# KiCad board usb-c-power-adapter.kicad_pcb (continued)
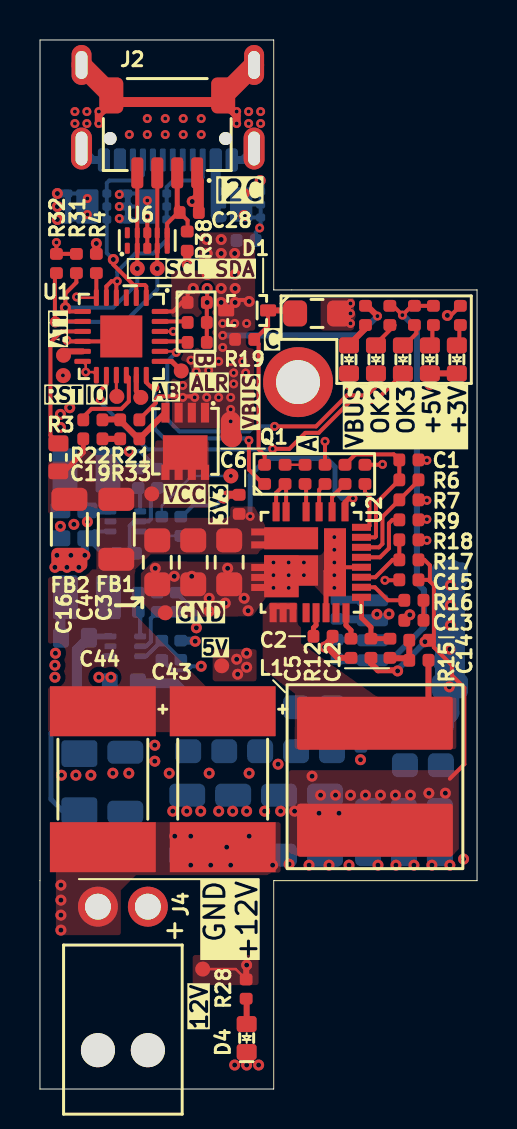
[diagram p0: board, top side]
## Library data of the parts (continued)
U2 = -: Datasheet: https://www.vishay.com/docs/77113/sic47x.pdf; Description: DC/DC Synchronous Regulator, Adjustable, 4.5V to 55VIn, 0.8V to 50.6V/6AOut, 2MHz, PowerPAK MLP55-27; Manufacturer: Vishay; Author: Antmicro; License: Apache-2.0
U3 U4 = -: Datasheet: https://www.diodes.com/assets/Datasheets/AP62300_AP62301_AP62300T.pdf; Description: DC-DC Switching Synchronous Buck Regulator, Adjustable, 4.2V-18Vin, 0.8V-7V/3A out, SOT-563-6; Manufacturer: Diodes Incorporated; Author: Antmicro; License: Apache-2.0
U5 U7 U8 = -: Datasheet: https://www.ti.com/lit/ds/symlink/tvs2200.pdf?ts=1712230685180&ref_url=https%253A%252F%252Fwww.ti.com%252Fproduct%252FTVS2200; Description: ESD Protection Device, 1 kV, WSON-6, 22 V, 105 pF; Manufacturer: Texas Instruments; License: Apache-2.0; Author: Antmicro
U6 = -: Datasheet: http://www.ti.com/lit/ds/symlink/tpd4e02b04.pdf; Description: TVS diode array, 12 kV, USON-10, 3.6 V, 0.33 pF; MPN: TPD4E02B04DQAR; Manufacturer: Texas Instruments; Author: Antmicro; License: Apache-2.0; ki_fp_filters: USON*2.5x1.0mm*P0.5mm*

## Footprints (pads in the part's own frame, mm; a bottom-side part is the same pattern mirrored in y, then rotated)
C_0402_1005Metric
  rrect 0.59x0.64 smd: 1(-0.48,0) 2(0.48,0)
C_0603_1608Metric
  rrect 0.8x1 smd: 1(-0.7,0) 2(0.7,0)
C_0805_2012Metric
  rrect 1.2x1.3 smd: 1(-1.1,0) 2(1.1,0)
C_1206_3216Metric
  rrect 1.15x1.8 smd: 1(-1.5,-0.001) 2(1.5,-0.001)
C_Pol_Vishay-T59-EE
  trapezoid 2.5x5.3 smd: 1(-3.4,0) 2(3.4,0)
Conn_JST_SH_1x4_SM04B-SRSS-TB-LF-SN
  rrect 0.6x1.55 smd: 1(-1.5,2.12) 2(-0.5,2.12) 3(0.5,2.12) 4(1.5,2.12)
  rrect 1.2x1.8 smd: MP(-2.8,-1.755) MP(2.8,-1.755)
Conn_Molex_Nano-Fit_1x2_1053131102
  round 1.71 hole 1.7 unplated: (-2.5,-7.179) (0,-7.179)
  round 2 hole 1.3: 1(0,0) 2(-2.5,0)
D_0402_1005Metric
  rrect 0.59x0.64 smd: 1(-0.48,0) 2(0.48,0)
D_SOD-323F
  rrect 0.8x0.6 smd: 1(-1.051,-0.001) 2(1.05,-0.001)
F_1206_3216Metric
  rrect 1.15x1.8 smd: 1(-1.5,-0.001) 2(1.5,-0.001)
FB_1206_3216Metric
  rrect 1.15x1.8 smd: 1(-1.5,-0.001) 2(1.5,-0.001)
L_1008_2520Metric
  rrect 1.25x2.2 smd: 1(-1.075,0) 2(1.075,0)
L_Abracon_ASPIAIG-Q8080
  rrect 2.65x7.8 smd: 1(-2.675,0) 2(2.675,0)
LED_0603_1608Metric_G
  rrect 0.8x1 smd: 1(-0.7,0) 2(0.7,0)
MP_Pad3.5mm_Drill2.2mm
  round 3.5 hole 2.2: 1(0,0)
QFN-24-1EP_4x4mm_P0.5_EP2.1x2.1mm
  rrect 0.8x0.8 smd: (-0.5,0.5) (-0.5,-0.5) (0.5,0.5) (0.5,-0.5)
  rrect 0.825x0.25 smd: 1(-1.938,1.25) 2(-1.938,0.75) 3(-1.938,0.25) 4(-1.938,-0.248) 5(-1.938,-0.748) 6(-1.938,-1.249) 13(1.937,-1.249) 14(1.937,-0.748) 15(1.937,-0.248) 16(1.937,0.25) 17(1.937,0.75) 18(1.937,1.25)
  rrect 0.25x0.825 smd: 7(-1.25,-1.937) 8(-0.75,-1.937) 9(-0.25,-1.937) 10(0.248,-1.937) 11(0.748,-1.937) 12(1.249,-1.937) 19(1.249,1.938) 20(0.748,1.938) 21(0.248,1.938) 22(-0.25,1.938) 23(-0.75,1.938) 24(-1.25,1.938)
  rect 2.1x2.1 smd: 25(0,0)
R_0402_1005Metric
  rrect 0.59x0.64 smd: 1(-0.48,0) 2(0.48,0)
R_0603_1608Metric
  rrect 0.8x1 smd: 1(-0.7,0) 2(0.7,0)
SIC47XED-T1-GE3
  rect 0.95x0.35 smd: 1(-2.525,1.7) 2(-2.525,1.051) 3(-2.525,0.403) 4(-2.525,-0.247) 5(-2.525,-1.249) 6(-2.525,-1.749) 12(2.523,-1.898) 13(2.523,-1.398) 14(2.523,-0.9) 15(2.523,-0.247) 16(2.523,0.25) 17(2.523,0.75) 18(2.523,1.25) 19(2.523,1.75)
  rect 0.35x0.95 smd: 7(-1.52,-2.523) 8(-0.87,-2.523) 9(0.26,-2.523) 10(0.757,-2.523) 11(1.259,-2.523) 20(1.749,2.525) 21(1.249,2.525) 22(0.747,2.525) 23(0.247,2.525) 24(-0.25,2.525) 25(-0.75,2.525) 26(-1.25,2.525) 27(-1.75,2.525)
  rect 1.1x2.7 smd: 7(-1.2,-0.997)
  rect 1.52x2.7 smd: 9(0.409,-0.997)
  rect 2.1x1.73 smd: 9(0.699,-1.485)
  rect 0.3x1.35 smd: 14(2.2,-1.398)
  rect 3.4x1.1 smd: 28(0,1.2)
SOD-123FL
  rrect 1.34x1.8 smd: 1(-1.43,0) 2(1.429,0)
SOT-563
  rrect 0.6x0.3 smd: 1(-0.749,0.499) 2(-0.749,-0.001) 3(-0.749,-0.497) 4(0.747,-0.497) 5(0.747,-0.001) 6(0.747,0.499)
TP_SMD_0.75mm
  round 0.75 smd: 1(0,0)
USB-C_Receptacle_GCT_USB4105-GF-A
  round 0.65 hole 0.65 unplated: (-2.891,2.426) (2.89,2.426)
  rrect 0.6x1.15 smd: A1(-3.202,3.5) A4(-2.4,3.5) A9(2.398,3.5) A12(3.2,3.5) B1(3.2,3.5) B4(2.398,3.5) B9(-2.4,3.5) B12(-3.202,3.5)
  rrect 0.3x1.15 smd: A5(-1.25,3.5) A6(-0.25,3.5) A7(0.248,3.5) A8(1.249,3.5) B5(1.749,3.5) B6(0.748,3.5) B7(-0.75,3.5) B8(-1.75,3.5)
  oval 1x2 hole 0.6x1.4: SH(-4.321,-1.255) SH(4.32,-1.255)
  oval 1.05x2.1 hole 0.6x1.7: SH(-4.321,2.926) SH(4.32,2.926)
USON-10_2.5x1mm_P0.5mm
  rrect 0.55x0.25 smd: 1(-0.387,1) 2(-0.387,0.5) 4(-0.387,-0.498) 5(-0.387,-0.998) 6(0.385,-0.998) 7(0.385,-0.498) 9(0.385,0.5) 10(0.385,1)
  rrect 0.55x0.4 smd: 3(-0.387,0) 8(0.385,0)
Vishay_PowerPAK_1212-8_Single
  rect 0.99x0.405 smd: 1(-1.436,0.99) 2(-1.436,0.332) 3(-1.436,-0.33) 4(-1.436,-0.988)
  custom 2.235x2.39 smd: 5(0.557,0)
WSON-6-1EP_2x2mm_P0.65mm
  rrect 0.45x0.4 smd: 1(-0.975,0.652) 2(-0.975,0) 3(-0.975,-0.65) 4(0.973,-0.65) 5(0.973,0) 6(0.973,0.652)
  rrect 1.12x1.72 smd: 7(0,0)

## Nets
+3V3: C26.2 C41.2 J3.2 L3.2 R1.2 R30.2 R31.2 R32.2 R38.2 TP6.1
+5V: C25.2 C42.2 J3.4 L2.2 R2.1 R25.2 R26.2 R29.2 TP5.1
+12V: C14.2 C15.2 C17.2 C18.2 C20.2 C21.2 C22.2 C29.2 C30.2 C31.2 C32.2 C33.2 C34.2 C35.2 C36.2 C37.2 C38.2 C39.2 D2.2 F1.1 FB2.2 L1.2 R10.2 R11.2 R12.2 R17.2 R28.2 TP7.1 U3.1 U4.1
/DC-DC Converters/12V_FSW: R9.2 U2.24
/DC-DC Converters/12V_ILIM: R6.2 R7.2 U2.25
/DC-DC Converters/12V_MODE: R5.1 U2.27
/DC-DC Converters/12V_SNS: C12.2 C14.1 R15.2
/DC-DC Converters/12V_SS: C5.1 U2.19
/DC-DC Converters/VDD_12V_DCDC: C1.2 R6.1 R13.2 U2.26
/USB PD/VBUS_DISCH: R20.1 U1.18
/USB PD/VBUS_EN: R22.1 U1.16
GND: C1.1 C2.1 C3.1 C4.1 C5.2 C6.1 C7.1 C8.1 C9.1 C11.1 C13.2 C15.1 C16.1 C17.1 C18.1 C20.1 C21.1 C22.1 C25.1 C26.1 C27.1 C28.1 C29.1 C30.1 C31.1 C32.1 C33.1 C34.1 C35.1 C36.1 C37.1 C38.1 C39.1 C40.1 C41.1 C42.1 C43.2 C44.2 D2.1 D3.1 D4.1 D5.2 D8.1 D9.1 J1.A1 J1.A12 J1.B1 J1.B12 J1.SH J2.1 J2.MP J3.1 J3.3 J3.MP J4.2 MP1.1 R4.2 R5.2 R7.1 R9.1 R18.1 R23.1 R24.1 R27.1 R41.1 TP13.1 U1.10 U1.12 U1.13 U1.22 U1.25 U2.9 U2.10 U2.11 U2.17 U2.23 U2.28 U3.3 U4.3 U5.1 U5.2 U5.3 U5.7 U6.3 U6.8 U7.1 U7.2 U7.3 U7.7 U8.1 U8.2 U8.3 U8.7
VBUS: C11.2 C27.2 D1.2 J1.A4 J1.A9 J1.B4 J1.B9 Q1.1 Q1.2 Q1.3 R19.2 R21.2 R34.2 TP3.1 U1.24 U5.4 U5.5 U5.6
VCC: C19.2 FB1.1 FB2.1 Q1.5 R3.1 TP4.1
/DC-DC Converters/VDRV_12V_DCDC: C2.2 U2.16
/USB PD/CC1: J1.A5 U1.1 U1.2 U7.4 U7.5 U7.6
/USB PD/CC2: J1.B5 U1.4 U1.5 U8.4 U8.5 U8.6
/USB PD/QWIIC_VCC: C28.2 J2.2 R38.1 U6.5 U6.6
/USB PD/SCL: J2.4 R31.1 TP2.1 U1.7 U6.2 U6.9
/USB PD/SDA: J2.3 R32.1 TP1.1 U1.8 U6.4 U6.7
POWER_OK2: D6.1 U1.20
POWER_OK3: D7.1 U1.14
Net-(C10-Pad1): C10.1 R14.1
Net-(C13-Pad1): C13.1 R16.2
Net-(C19-Pad1): C19.1 R33.2
Net-(D1-C): C7.2 D1.1 R19.1 R20.2
Net-(D3-A): D3.2 R34.1
Net-(D4-A): D4.2 R28.1
Net-(D5-C): C40.2 D5.1 F1.2 J4.1
Net-(D6-A): D6.2 R25.1
Net-(D7-A): D7.2 R26.1
Net-(D8-A): D8.2 R29.1
Net-(D9-A): D9.2 R30.1
Net-(L1-Pad1): L1.1 R15.1 U2.12 U2.13 U2.14
Net-(Q1-G): Q1.4 R21.1 R22.2 R33.1
Net-(R14-Pad2): R14.2 U2.5 U2.6
Net-(R16-Pad1): R16.1 U2.21
Net-(U1-A_B_SIDE): TP11.1 U1.17
Net-(U1-ATTACH): TP10.1 U1.11
Net-(U1-DISCH): R3.2 U1.9
Net-(U1-GPIO): TP12.1 U1.15
Net-(U1-RESET): R4.1 TP8.1 U1.6
Net-(U1-VREG_1V2): C9.2 U1.21
Net-(U1-VREG_2V7): C8.2 U1.23
Net-(U1-~{ALERT}): TP9.1 U1.19
Net-(U2-BOOT): C10.2 U2.4
Net-(U2-EN): R8.1 U2.3
Net-(U2-P_{GOOD}): R13.1 U2.2
Net-(U2-V_{CIN}): C3.2 C4.2 C6.2 C16.2 C43.1 C44.1 FB1.2 R8.2 U2.1 U2.7 U2.8
Net-(U2-V_{FB}): R17.1 R18.2 U2.22
Net-(U2-V_{SNS}): C12.1 R12.1 U2.20
Net-(U3-BST): C23.2 U3.4
Net-(U3-EN): R10.1 R23.2 U3.5
Net-(U3-FB): R2.2 R41.2 U3.6
Net-(U3-SW): C23.1 L2.1 U3.2
Net-(U4-BST): C24.2 U4.4
Net-(U4-EN): R11.1 R24.2 U4.5
Net-(U4-FB): R1.1 R27.2 U4.6
Net-(U4-SW): C24.1 L3.1 U4.2

Pads without a net: J1 A6 A7 A8 B6 B7 B8; U1 3; U2 15 18; U6 1 10

## Via types
v1: diameter 0.45, hole 0.2, Top to Bottom, 92 vias
v2: diameter 0.55, hole 0.25, Top to Bottom, 136 vias
v3: diameter 0.6, hole 0.3, Top to Bottom, 1 via

## Routing (per net, layer and track width the routed paths; a pad name or vN(x,y) marks a point on that pad's centre or on a via; arc(x,y) is an arc through that point)
+3V3: length 10.9
  Top w0.2: v2(20.4,38.7) 20.57,38.7 R30.2 ; R31.2 R32.2 v1(0.82,42.35)
  Top w0.25: v1(9.56,30.67) 9.78,30.67
  Top w0.4: v2(7.37,41.25) R38.2
  Bottom w0.125: v1(9.56,30.67) 7.59,30.67 6.1,29.17 R1.2
  Bottom w0.3: J3.2 16.66,23.53 v2(16.87,23.75)
  Bottom w0.4: v2(17.48,23.77) 17.16,23.45 J3.2 ; C41.2 14.89,23.5 16.37,23.5 16.42,23.45
  vias: v2(1.03,33.75) v2(1.03,33.1) v2(1.49,34.08)
+5V: length 28.6
  Top w0.2: v1(18.15,38.72) 17.69,39.18 R25.2 ; v1(18.15,38.72) 18.61,39.18 19.52,39.18 ; v1(18.15,38.72) 18.18,38.72
  Bottom w0.2: 5.92,21.65 R2.1 6.62,20.95 7.38,20.95 7.58,21.15 v2(8.07,21.15) ; 1.15,22.88 1.03,22.75
  Bottom w0.3: 16.42,21.45 17.57,21.45 19.22,23.1 19.22,24.97 18.87,25.32 18.87,38.03 18.2,38.7 18.2,38.72
  Bottom w0.4: 16.42,21.45 14.94,21.45 C42.2
  Bottom w0.5: 1.03,22.75 1.03,24.4 1.38,24.75 1.62,24.75
  vias: v2(0.78,21.8) v2(0.75,21.2) v2(0.75,20.6) v2(9.85,21.5) v2(9.9,20.75) v2(10.35,21.8) v2(10.35,21.1)
+12V: length 39.3
  Top w0.125: TP7.1 9.81,6 R28.2
  Top w0.2: 19.52,25.4 19.45,25.47 C15.2 ; 19.52,25.4 19.52,26.2 19.25,26.47 R17.2 ; 19.52,25.4 19.72,25.2 19.72,22.4 ; 19.72,22.4 19.67,22.45 19.2,22.45 ; 19.72,22.4 19.72,22.1 20.62,21.2 20.62,20.7 21.25,20.08 21.25,16.25 20.53,15.52
  Top w0.3: R28.2 10.33,6.17 v2(10.35,6.2) ; v2(17.91,20.92) 17.87,20.95 16.92,20.95 16.57,21.3 R12.2
  In2.Cu w0.2: 4.95,23.2 7.7,23.2 v2(7.83,23.07)
  In2.Cu w0.3: v2(10.35,6.2) 10.95,6.8 10.95,11.9 11.25,12.2 v2(11.25,13.9)
  Bottom w0.2: U4.1 2.73,27.9 C22.2 3.12,26.8 R11.2 ; R10.2 7.83,23.82 v2(7.83,23.07)
  Bottom w0.3: 3.25,21.65 U3.1 ; v2(17.91,20.92) 17.91,20.99 19.28,22.35 v2(19.28,22.38)
  Bottom w0.4: C22.2 2.25,27.43 v2(2.25,26.7) v2(1.55,26.7) v2(0.85,26.7) 0.8,26.7 0.82,26.7
  vias: v2(0.75,26.1) v2(1.35,26.1) v2(1.95,26.1) v2(2.95,20.6) v2(3.55,20.6) v2(3.65,15.8) v2(4.45,15.8) v2(5.75,17.2) v2(5.75,16.4) v2(6.47,15.8) v2(6.65,13.9) v2(7.35,13.9) v2(8.05,13.9) v2(8.47,15.8) v2(8.95,13.9) v2(9.65,13.9) v2(10.35,13.9) v2(10.47,15.8) v2(11.92,16.25) v2(12.05,13.9) v2(12.75,13.9) v2(13.62,15.65) v2(13.97,13.8) v2(14.05,14.7) v2(14.8,14.7) v2(14.97,13.8) v2(15.55,14.7) v2(16.05,16.47) v2(16.3,14.7) v2(17.05,14.7) v2(17.8,14.7) v2(18.55,14.7) v2(19.47,14.8) v2(20.3,14.8)
/DC-DC Converters/12V_FSW: length 3.4
  Top w0.2: U2.24 17.02,26.6 17.47,27.05 17.47,28.3 17.65,28.47 R9.2
/DC-DC Converters/12V_ILIM: length 5.1
  Top w0.125: R7.2 17.99,29.51
  Top w0.2: U2.25 16.97,27.1 17.15,27.27 17.15,28.63 R7.2 18.95,30.43 R6.2
/DC-DC Converters/12V_MODE: length 2.6
  Top w0.2: R5.1 16.27,29.85 16.5,29.62 16.5,28.17 16.42,28.1 U2.27
/DC-DC Converters/12V_SNS: length 2
  Top w0.3: C12.2 17.54,21.55 18.39,21.55 R15.2 C14.1
/DC-DC Converters/12V_SS: length 1.4
  Top w0.25: U2.19 15.32,23.2 15.57,22.95 C5.1
/DC-DC Converters/VDD_12V_DCDC: length 8.1
  Top w0.2: U2.26 16.77,27.6 16.82,27.65 16.82,29.3 R6.1 C1.2 17.72,31.75 15.79,31.75 R13.2
/USB PD/VBUS_DISCH: length 10.5
  Top w0.2: R20.1 11.18,30.27 10.46,30.99 v1(10.46,32.45) ; v1(5.75,35.1) 5.71,35.15 5.52,35.15 5.32,35.35 U1.18
  Bottom w0.2: v1(5.75,35.1) 5.75,33.02 6.22,32.55 10.36,32.55 v1(10.46,32.45)
/USB PD/VBUS_EN: length 4
  Top w0.2: U1.16 4.45,35.59 4.45,34.4 4.07,34.02 2.58,34.02 2.16,33.61 2.16,33.55
GND: length 100
  Top w0.125: U1.22 v1(6.67,37.9) ; 7.97,45.4 7.87,45.5 ; R18.1 19.35,27.47 v1(19.37,27.45) ; MP1.1 12.76,35.53 ; v1(19.37,29.45) 19.35,29.47 R7.1 ; U1.12 2.29,36.24 v1(2.29,35.87) ; U1.13 2.67,35.87 2.29,35.87 ; v1(19.37,28.5) 19.35,28.47 R9.1 ; v1(19.37,31.45) 19.35,31.47 C1.1 ; 8.35,39.37 v2(8.37,39.35) 8.35,39.33 C9.1 ; 8.35,40.03 v2(8.37,40.05) 8.35,40.07 8.35,40.12 8.34,40.13
  Top w0.2: R5.2 17.13,31.23 v1(17.15,31.25) ; C15.1 17.97,25.45 v1(17.27,25.45) ; C9.1 C8.1 C11.1 8.37,39.37 v2(8.37,40.05) ; U6.3 v1(5.37,43.65) ; v1(1.36,37.45) 1.4,37.4 U1.10 3.83,37.4 U1.25 ; U2.23 15.02,26.1 U2.28
  Top w0.25: U2.17 14.32,25.9 14.74,26.32 v1(14.74,26.34) 14.77,26.34 U2.28
  Top w0.3: D3.1 v2(15.47,35.25) ; C28.1 7.95,44.07 v2(7.62,44.4) ; C5.2 14.9,21.57 14.36,22.11 v2(14.25,22.11) ; D9.1 D8.1 v2(19.52,35.25)
  Top w0.4: 3.58,49.38 2.95,48.75 v1(2.95,48.3) ; 7.87,45.5 7.87,44.65 v2(7.62,44.4) ; C2.1 14.65,22.53 14.25,22.13 v2(14.25,22.11) ; v1(9.85,48.3) 9.85,48.7 9.17,49.38 ; v2(2.82,42.3) R4.2 ; v3(9.2,29.59) 9.34,29.73 C6.1 ; C13.2 v2(18.52,23.72)
  Top w0.5: 7.87,45.5 7.95,45.42 C28.1 ; 3.58,49.38 9.17,49.38
  Top w1: 9.17,49.38 9.17,49.68 10.72,51.23 ; 3.58,49.38 3.58,49.74 2.08,51.23
  Bottom w0.2: 4.4,44.8 5.02,44.8 v1(5.37,44.45) U8.7 4.4,44.15 ; v2(10.22,43.7) 10.32,43.6 11.05,43.6 ; 4.4,43.5 5.22,43.5 v1(5.37,43.65) ; 11.05,43.6 11.05,43.1 11.03,43.08 v1(11,43.08) 11,43.05 10.81,42.85 C27.1 ; 11.05,43.6 11.05,44.9 10.33,44.9 v2(10.22,44.8) ; U7.7 v1(2.37,44.55) 2.37,44.65 2.22,44.8 1.4,44.8 ; U7.7 v1(2.37,43.75) 2.12,43.5 1.4,43.5 ; U7.7 1.4,44.15 ; 11.05,44.25 U5.7 ; R27.1 7.1,28.63 7.67,29.2 8.81,29.2 v3(9.2,29.59) ; v2(4.48,31.9) 5,31.9 R24.1
  Bottom w0.3: 4.4,44.8 4.4,43.5 ; C25.1 2.52,22.65 U3.3 ; U4.3 2.43,28.9 C22.1 ; C42.1 16.62,22.48 J3.3 ; 1.4,44.8 1.4,43.5
  Bottom w0.4: v1(14.74,26.34) v1(14.74,25.71) v1(14.74,25.07) 14.87,24.94 C41.1 16.39,24.48 16.42,24.45 ; v2(7.77,22.4) 7.74,22.43 R41.1 ; J1.A1 2.66,46.48 J1.SH ; 1.4,44.8 v2(0.87,44.8) ; v1(3.97,43.55) 4.03,43.5 4.4,43.5 ; C38.1 15.64,18.08 D2.1 ; C22.1 v2(2.37,28.38) ; 0.92,43.5 0.87,43.55 v2(0.87,43.5) 0.92,43.5 ; 0.92,43.5 0.93,43.5 1.4,43.5 ; 4.4,44.8 4.02,44.8 v1(3.97,44.75) ; 1.7,28.22 v2(1.7,28.25) 1.72,28.25 ; 4.4,44.15 v1(3.97,44.15) ; 11.05,44.9 11.05,45.43 v2(11.03,45.45) ; J1.SH 10.15,46.48 J1.A12 ; v2(1.02,28.15) C26.1 ; 1.4,44.15 v2(0.87,44.15)
  Bottom w0.5: C21.1 6.75,20.3 7.45,19.6 ; C40.1 1.33,19.18 1.85,19.7 1.85,21.97 C25.1
  Bottom w1: v2(20.5,20.12) 20.5,18.82 C30.1 C18.1 15.32,18.4 C38.1
  Bottom w1.5: J3.MP 20.53,20.18 20.55,20.2 20.53,20.22 20.53,21.32 20.45,21.4 20.53,21.48 20.53,22 v2(20.53,22) 20.53,22.01 20.53,23.18 v2(20.55,23.2) 20.53,23.22 20.53,24.18 v2(20.55,24.2) 20.53,24.22 20.53,25.18 v2(20.55,25.2) 20.53,25.22 J3.MP
  vias: v1(1.75,48.9) v1(1.75,48.3) v1(2.35,48.9) v1(2.35,48.3) v1(2.95,48.9) v1(9.85,48.9) v1(10.45,48.9) v1(10.45,48.3) v1(11.05,48.9) v1(11.05,48.3) v1(11.69,26.34) v1(11.69,25.71) v1(11.69,25.07) v1(12.45,26.34) v1(12.45,25.71) v1(12.45,25.07) v1(13.22,26.34) v1(13.22,25.71) v1(14.74,27.61) v1(14.74,26.98) v1(15.55,39.3) v1(15.55,38.8) v1(15.55,38.3) v2(1.08,15.7) v2(1.05,10.2) v2(1.05,9.45) v2(1.05,8.7) v2(1.05,7.95) v2(1.8,15.7) v2(2.55,15.7) v2(5.77,26.05) v2(6.73,25.65) v2(6.75,12.65) v2(7.6,25.65) v2(7.55,12.65) v2(7.55,11.2) v2(8.47,24.55) v2(8.47,23.9) v2(8.55,11.2) v2(9.28,24.31) v2(9.4,26.05) v2(9.35,12.1) v2(9.55,11.2) v2(9.75,1.2) v2(10.22,24.55) v2(10.42,23.93) v2(10.35,1.2) v2(10.47,12.65) v2(10.95,1.2) v2(11.65,11.2) v2(12.48,11.25) v2(13.48,11.2) v2(14.48,11.2) v2(15.48,11.2) v2(16.92,11.2) v2(17.83,11.2) v2(18.73,11.2) v2(19.62,11.2) v2(20.53,11.2) v2(21.21,11.5)
VBUS: length 21.4
  Top w0.125: 9.32,38.95 9.32,39.3 v2(9.07,39.35) 9.27,39.35 ; 7.63,40.18 7.67,40.23 v2(7.67,40.05)
  Top w0.2: v2(9.77,39.35) 9.9,39.48 10.4,39.48 v2(10.48,39.4) 10.55,39.48 ; U1.24 6.66,38.9 7.11,39.35 C11.2 7.39,39.77 v2(7.67,40.05) ; R21.2 4.98,33.5 5.8,34.33 5.8,34.5 5.95,34.65 7.1,34.65 v1(7.15,34.6) 7.2,34.65 7.52,34.65 v1(7.75,34.6) 7.62,34.65 7.57,34.65
  Top w0.3: 16.96,38.67 v1(16.9,38.67) 16.45,39.12 16.45,39.18
  Top w1: TP3.1 9.55,32.67 v1(9.55,33.4)
  Bottom w0.125: v2(9.77,39.35) 9.62,39.2 9.42,39.2 9.27,39.35
  Bottom w0.3: v1(16.9,38.67) 15.93,37.7 v1(9.15,37.7)
  Bottom w0.5: J1.A9 8.8,43.7 8.9,43.6 U5.4
  vias: v1(4.47,47.75) v1(5.37,48.55) v1(5.37,47.75) v1(6.27,48.55) v1(6.27,47.75) v1(7.17,48.55) v1(7.17,47.75) v1(7.15,35.2) v1(7.56,36.46) v1(7.83,35.9) v1(8.07,48.55) v1(8.07,47.75) v1(8.35,34.6) v1(8.45,35.95) v1(8.95,36.4) v1(8.95,34.6) v1(9.15,38.3) v1(9.15,37.1) v1(9.55,36.4) v1(9.55,34.6) v1(9.55,34) v1(9.7,35.83) v1(9.7,35.27) v1(9.75,38.3) v1(10.15,36.4) v1(10.3,35.83) v1(10.35,38.3) v2(8.35,42.5) v2(8.37,41.8) v2(8.37,40.75) v2(9.08,42.5) v2(9.07,41.8) v2(9.07,40.05) v2(9.75,41.8) v2(9.77,40.75) v2(9.77,40.05)
VCC: length 2.3
  Top w0.25: R3.1 1.22,30.9 2.17,31.85 C19.2
/DC-DC Converters/VDRV_12V_DCDC: length 1.2
  Top w0.25: C2.2 13.69,23.07 13.82,23.2 U2.16
/USB PD/CC1: length 10.4
  Top w0.2: U1.2 4.82,40.22 4.7,40.22 ; 4.7,40.22 3.67,41.24 v2(3.67,41.5) ; 4.7,40.22 5.25,40.22 5.32,40.15 U1.1
  Bottom w0.2: J1.A5 5.15,45.73 4.87,45.45 3.47,45.45 3.35,45.32 U7.4 U7.6 3.35,41.83 v2(3.67,41.5)
/USB PD/CC2: length 11.2
  Top w0.2: U1.5 3.33,40.15 3.59,40.41 v1(3.87,40.41) 3.83,40.37 U1.4
  Bottom w0.2: J1.B5 8.15,45.63 7.97,45.45 6.67,45.45 6.35,45.12 U8.4 U8.6 6.35,42.47 5.67,41.8 4.77,41.8 3.87,40.89 v1(3.87,40.41)
/USB PD/QWIIC_VCC: length 5.9
  Top w0.125: 6.77,45.4 6.87,45.5
  Top w0.2: 7.39,42.85 7.39,43.45 C28.2 6.92,43.85 6.37,43.3 6.37,42.83 ; U6.5 6.37,42.7
  Top w0.25: 6.37,43 U6.5 ; C28.2 6.99,44.03 6.87,44.15 6.87,45.5
/USB PD/SCL: length 12.5
  Top w0.125: 2.09,38.95 U1.7 ; 1.27,38.9 v2(1.27,39.09) 1.27,39.05
  Top w0.2: v2(4.87,41.05) U6.2 4.87,42.83 U6.9 4.88,45.5 ; R31.1 1.82,40.35 1.27,39.8 v2(1.27,39.09) 1.47,38.9 U1.7
  Bottom w0.2: v2(1.27,39.09) 3.67,39.09 4.87,40.3 v2(4.87,41.05)
/USB PD/SDA: length 15.3
  Top w0.125: 5.88,41.19 5.92,41.15 ; 2.09,38.35 U1.8
  Top w0.2: 5.88,45.5 5.88,42.84 5.87,42.83 U6.4 5.87,41.05 v2(5.87,41.05) ; U1.8 0.8,38.4 v2(0.77,38.38) 0.75,38.4 0.75,40.74 R32.1
  Bottom w0.2: v2(5.87,41.05) 5.87,40 4.25,38.38 v2(0.77,38.38)
POWER_OK2: length 16.7
  Top w0.125: U1.20 6.77,36.9 v1(6.82,36.85)
  Top w0.2: v1(11.75,33.15) 13.82,33.15 15.37,34.7 16.37,34.7 16.82,35.15 D6.1
  Bottom w0.2: v1(6.82,36.85) 6.37,36.4 6.37,33.5 6.97,32.9 10.47,32.9 10.72,33.15 v1(11.75,33.15)
POWER_OK3: length 19.5
  Top w0.125: 3.27,35.39 3.33,35.45 U1.14
  Top w0.2: D7.1 16.75,34.38 15.51,34.38 13.96,32.83 13.29,32.83 12.49,32.02 v1(11.65,32.02) ; U1.14 3.33,35.25 3.03,34.95 v1(3.03,34.47)
  Bottom w0.2: v1(3.03,34.47) 3.03,34.35 5.37,32 11.62,32 v1(11.65,32.02)
Net-(C10-Pad1): length 1.1
  Top w0.125: R14.1 13.37,31.23
Net-(C13-Pad1): length 1
  Top w0.2: R16.2 C13.1
Net-(C19-Pad1): length 1
  Top w0.3: 3.12,32.6 3.2,32.52 3.94,32.52 4.01,32.6
Net-(D1-C): length 9.8
  Top w0.2: 11.5,38.88 11.42,38.95 11.42,38.17 10.75,37.5 R19.1 10.95,37.28 10.95,32 11.25,31.7 R20.2 ; 12.7,38.95 12.85,38.8
  Top w0.3: 11.42,38.95 12.7,38.95
Net-(D3-A): length 1.4
  Top w0.3: R34.1 16.3,38.05 15.47,37.22 D3.2
Net-(D4-A): length 1.3
  Top w0.3: R28.1 10.35,4.49 D4.2
Net-(D5-C): length 5.5
  Bottom w0.25: D5.1 1.13,13.92 0.55,14.5 0.55,17.8 0.95,18.2
Net-(D6-A): length 1.4
  Top w0.125: D6.2 16.82,37.29
  Top w0.2: 16.82,37.29 16.84,37.29 17.75,38.2 17.75,38.22
Net-(D7-A): length 1.3
  Top w0.2: D7.2 18.25,37.2 18.85,37.8 18.85,38.22
Net-(D8-A): length 1.2
  Top w0.2: 19.85,38.22 19.65,38.02 19.65,37.33 D8.2
Net-(D9-A): length 1.1
  Top w0.2: R30.1 21,38.17 21,37.33 D9.2
Net-(L1-Pad1): length 8.3
  Top w0.2: 19.2,19.2 18.45,18.45 16.6,18.45
  Top w0.3: R15.1 19.45,18.97 19.52,18.9 18.92,18.3 16.98,18.3
Net-(Q1-G): length 4.1
  Top w0.3: Q1.4 5.05,32.6 4.87,32.6 3.97,33.5 3.17,33.5 3.12,33.55
Net-(R14-Pad2): length 3
  Top w0.2: U2.5 12.33,30.22 R14.2 11.83,29.82 U2.6
Net-(R16-Pad1): length 2.4
  Top w0.2: R16.1 17.42,24.45 16.77,25.1 U2.21
Net-(U1-A_B_SIDE): length 1.3
  Top w0.25: U1.17 4.82,34.93 5.1,34.65 5.24,34.65
Net-(U1-ATTACH): length 1.1
  Top w0.125: 2.37,36.9 2.37,36.9
  Top w0.3: U1.11 1.37,36.9 1.14,36.67 1.09,36.67
Net-(U1-DISCH): length 8.4
  Top w0.125: 2.37,37.9 1.07,37.9
  Top w0.2: U1.9 1.07,37.9 0.53,37.35 0.53,32.7 R3.2
Net-(U1-GPIO): length 1.1
  Top w0.125: 3.88,34.6 3.88,34.85
  Top w0.15: U1.15 3.83,34.9 3.87,34.85
Net-(U1-RESET): length 7.2
  Top w0.125: v1(1.84,39.63) 1.87,39.59 U1.6
  Top w0.2: U1.6 2.83,40.82 R4.1
  Top w0.25: v1(1.15,35.7) 1.07,35.62 1.07,35.61
  In2.Cu w0.125: v1(1.15,35.7) 0.94,35.7 0.49,36.15 0.49,37.4 1.76,38.68 1.76,39.55 v1(1.84,39.63)
Net-(U1-VREG_1V2): length 1.4
  Top w0.2: C9.2 7.34,37.4 U1.21
Net-(U1-VREG_2V7): length 1.4
  Top w0.2: C8.2 7.34,38.4 U1.23
Net-(U1-~{ALERT}): length 1.3
  Top w0.25: U1.19 6.6,36.4 TP9.1
Net-(U2-BOOT): length 1.4
  Top w0.2: U2.4 13.33,30.22 C10.2
Net-(U2-EN): length 1.5
  Top w0.2: U2.3 13.98,29.97 R8.1
Net-(U2-P_{GOOD}): length 1.7
  Top w0.2: R13.1 14.62,29.62 U2.2
Net-(U2-V_{CIN}): length 12.1
  Top w0.2: R8.2 v1(14.27,32.4)
  Top w0.25: v1(15.67,29.55) 15.47,29.55 15.27,29.35 U2.1
  Bottom w0.2: v1(14.27,32.4) 14.27,31.63 14.35,31.55
  Bottom w0.25: v1(10.52,28.65) 10.52,30.7 11.37,31.55 14.35,31.55 14.78,31.12 14.78,29.9 15.12,29.55 v1(15.67,29.55)
Net-(U2-V_{FB}): length 3.3
  Top w0.2: U2.22 16.79,25.6 17.66,26.47 R17.1 R18.2
Net-(U2-V_{SNS}): length 3.3
  Top w0.25: U2.20 16.1,23.58 16.57,23.1 R12.1 17.57,22.53
Net-(U3-BST): length 1.3
  Bottom w0.2: C23.2 5.02,23.77 U3.4
Net-(U3-EN): length 3.2
  Bottom w0.2: R10.1 R23.2 5.55,23.55 5.55,22.38 5.32,22.15 U3.5
Net-(U3-FB): length 2.8
  Bottom w0.2: R41.2 7.05,21.5 6.12,22.43 R2.2 5.32,21.65 U3.6
Net-(U4-BST): length 1.2
  Bottom w0.2: U4.4 5.02,29.97 C24.2
Net-(U4-EN): length 4.4
  Bottom w0.2: R11.1 4.5,27.11 4.5,28.18 4.72,28.4 U4.5 5.45,28.4 5.55,28.5 5.55,29.75 R24.2
Net-(U4-FB): length 2.1
  Bottom w0.125: R27.2 6.05,27.67 5.82,27.9 U4.6

## Copper pours and planes (outline as drawn; the poured copper is in the pictures)
+3V3 on Bottom: 0.52,34.22 1.9,34.22 1.9,29.83 1.62,29.47 1.62,28.52 0.52,28.52
+3V3 on In2.Cu: -1.53,42.55 23.97,42.55 23.97,23.05 -1.53,23.05
+5V on Top: 8.65,22 10.85,22 10.85,20.4 8.65,20.4
+5V on Bottom: 0.35,25.75 2.25,25.75 2.25,23.7 1.85,23.35 1.85,22.95 1.35,22.45 1.35,20.25 0.35,20.25
+5V on Bottom: 9.37,22.3 9.37,20.15 13.32,20.15 13.92,21.1 17.17,21.1 17.17,21.95 14.42,21.95 14.07,22.3
+5V on In1.Cu: 0.35,22.2 10.75,22.2 10.75,20.2 0.35,20.2
+12V on Top: 7.65,6.7 10.95,6.7 10.95,5.2 7.65,5.2
+12V on Top: 12.48,15.95 20.98,15.95 20.98,11.65 12.48,11.65
+12V on Bottom: 2.1,21.8 3.25,21.8 3.25,19.8 2.1,19.8
+12V on Bottom: 21.75,13.2 21.75,17.6 3.25,17.7 3.25,15.2 5.15,15.2 6.55,13.2
+12V on In2.Cu: 0.55,27.1 5.05,27.1 5.05,21.85 7.55,19.35 20.6,19.35 20.6,13.3 0.55,13.3
GND on Top: 0.8,13.35 12.05,13.35 12.05,10.7 4.8,10.7 4.05,9.95 4.05,7.7 0.8,7.7
GND on Top: 9.48,2.33 11.23,2.33 11.23,0.88 9.48,0.88
GND on Top: 13.73,26.95 13.73,25.18 14.22,24.65 15.32,24.65 15.32,28.05 14.22,28.05 14.22,27.2
GND on Top: 15.8,39.65 15.8,37.95 14.05,37.95 14.05,39.65
GND on Top: 5.05,24.4 5.05,25.8 5.65,26.4 6.35,26.4 10.27,26.35 11.32,26.35 11.32,24.6 10.65,23.65 5.85,23.6
GND on Bottom: 3.45,46 1.45,46 1.45,49.1 3.45,49.1
GND on Bottom: 21.82,10.5 6.17,10.5 6.17,13.05 21.82,13.05
GND on Bottom: 22.42,-0.62 -0.58,-0.62 -0.45,35.2 22.55,35.2
GND on Bottom: 9.35,46 11.35,46 11.35,49.1 9.35,49.1
GND on Bottom: 15.42,17.65 15.42,20.85 6.62,20.85 6.62,17.65
GND on Bottom: 2.77,28.85 2.77,28.12 1.95,28.12 1.67,27.88 1.65,27.1 0.47,27.1 0.47,28.42 1.45,28.42 1.95,28.85
GND on In1.Cu: 12.47,53.05 12.47,41.05 22.47,41.05 22.45,-0.4 -0.55,-0.4 -0.53,53.05
VBUS on Top: 6.57,35.45 6.57,33.05 10.57,33.05 10.57,40.5 8.75,40.5 8.75,36.85 8.7,36.85 8.17,36.4 7.95,36.22 7.17,36.25 7.17,35.45
VBUS on Top, Bottom, In2.Cu: 6.57,33.05 10.77,33.05 10.77,42.85 7.97,42.85 7.97,40.95 6.57,40.95
VBUS on Bottom, In2.Cu: 3.57,45.75 3.57,48.95 9.27,48.95 9.27,45.95 9.77,45.45 9.77,39.25 7.72,39.2 7.72,45.4 8.37,45.95 8.37,47.1 8.3,47.17 4.67,47.17 4.37,46.95 4.37,45.75
VCC on Top: 8.47,32.45 8.47,29.05 6.77,29.05 6.77,28.75 0.22,28.75 0.22,31.95 5.67,31.95 5.67,32.45
Net-(D5-C) on Bottom: 0.45,15 6.25,15 6.25,7.8 4.15,7.8 4.15,10 0.45,11.8
Net-(L1-Pad1) on Top: 11.15,24.5 13.07,24.5 13.07,22.3 17.05,19.5 20.85,19.6 20.85,17 12.75,17 12.78,19.77 11.15,21
Net-(U2-V_{CIN}) on Top: 11.27,26.75 5.55,26.75 4.77,26 2.82,26 2.82,28.58 9.4,28.58 9.52,28.7 9.52,29.15 10.72,29.15 11.27,28.2
Net-(U2-V_{CIN}) on Top: 0.32,26 4.77,26 4.8,23.7 8.55,19.9 8.6,17.85 0.35,17.85
Net-(U3-SW) on Bottom: 2.81,25.75 3.76,25.75 4.66,25.05 5.21,25.05 5.21,24.6 4.66,24.6 4.26,24.4 4.26,23.6 4.5,23.3 4.5,22.15 4.33,22 3.23,22 3.23,22.35 3.9,22.35 4,22.45 4,23 3.53,23.45 2.81,23.45
Net-(U4-SW) on Bottom: 2.81,32 3.76,32 4.66,31.25 5.21,31.25 5.21,30.8 4.66,30.8 4.26,30.6 4.26,29.9 4.52,29.55 4.52,28.35 4.37,28.22 3.2,28.22 3.2,28.52 3.85,28.52 4.02,28.7 4.02,29.15 3.47,29.45 3.47,29.85 2.81,29.85

## Text on the board
B.Silkscreen: USB-C-PD-Adapter / Rev ${REVISION} / 02/2025 / SHA: ######## | D | B | A | J2: I2C / J3: Vout | C
F.Silkscreen: RST | IO | AB | VCC | ALR | 5V | SCL SDA | ATT | 3V3 | VBUS | B | GND | C | 12V | A | VBUS / OK2 / OK3 / +5V / +3V | I2C | GND / +12V
